# Altium PCB Smart Humidifier.PcbDoc (continued)
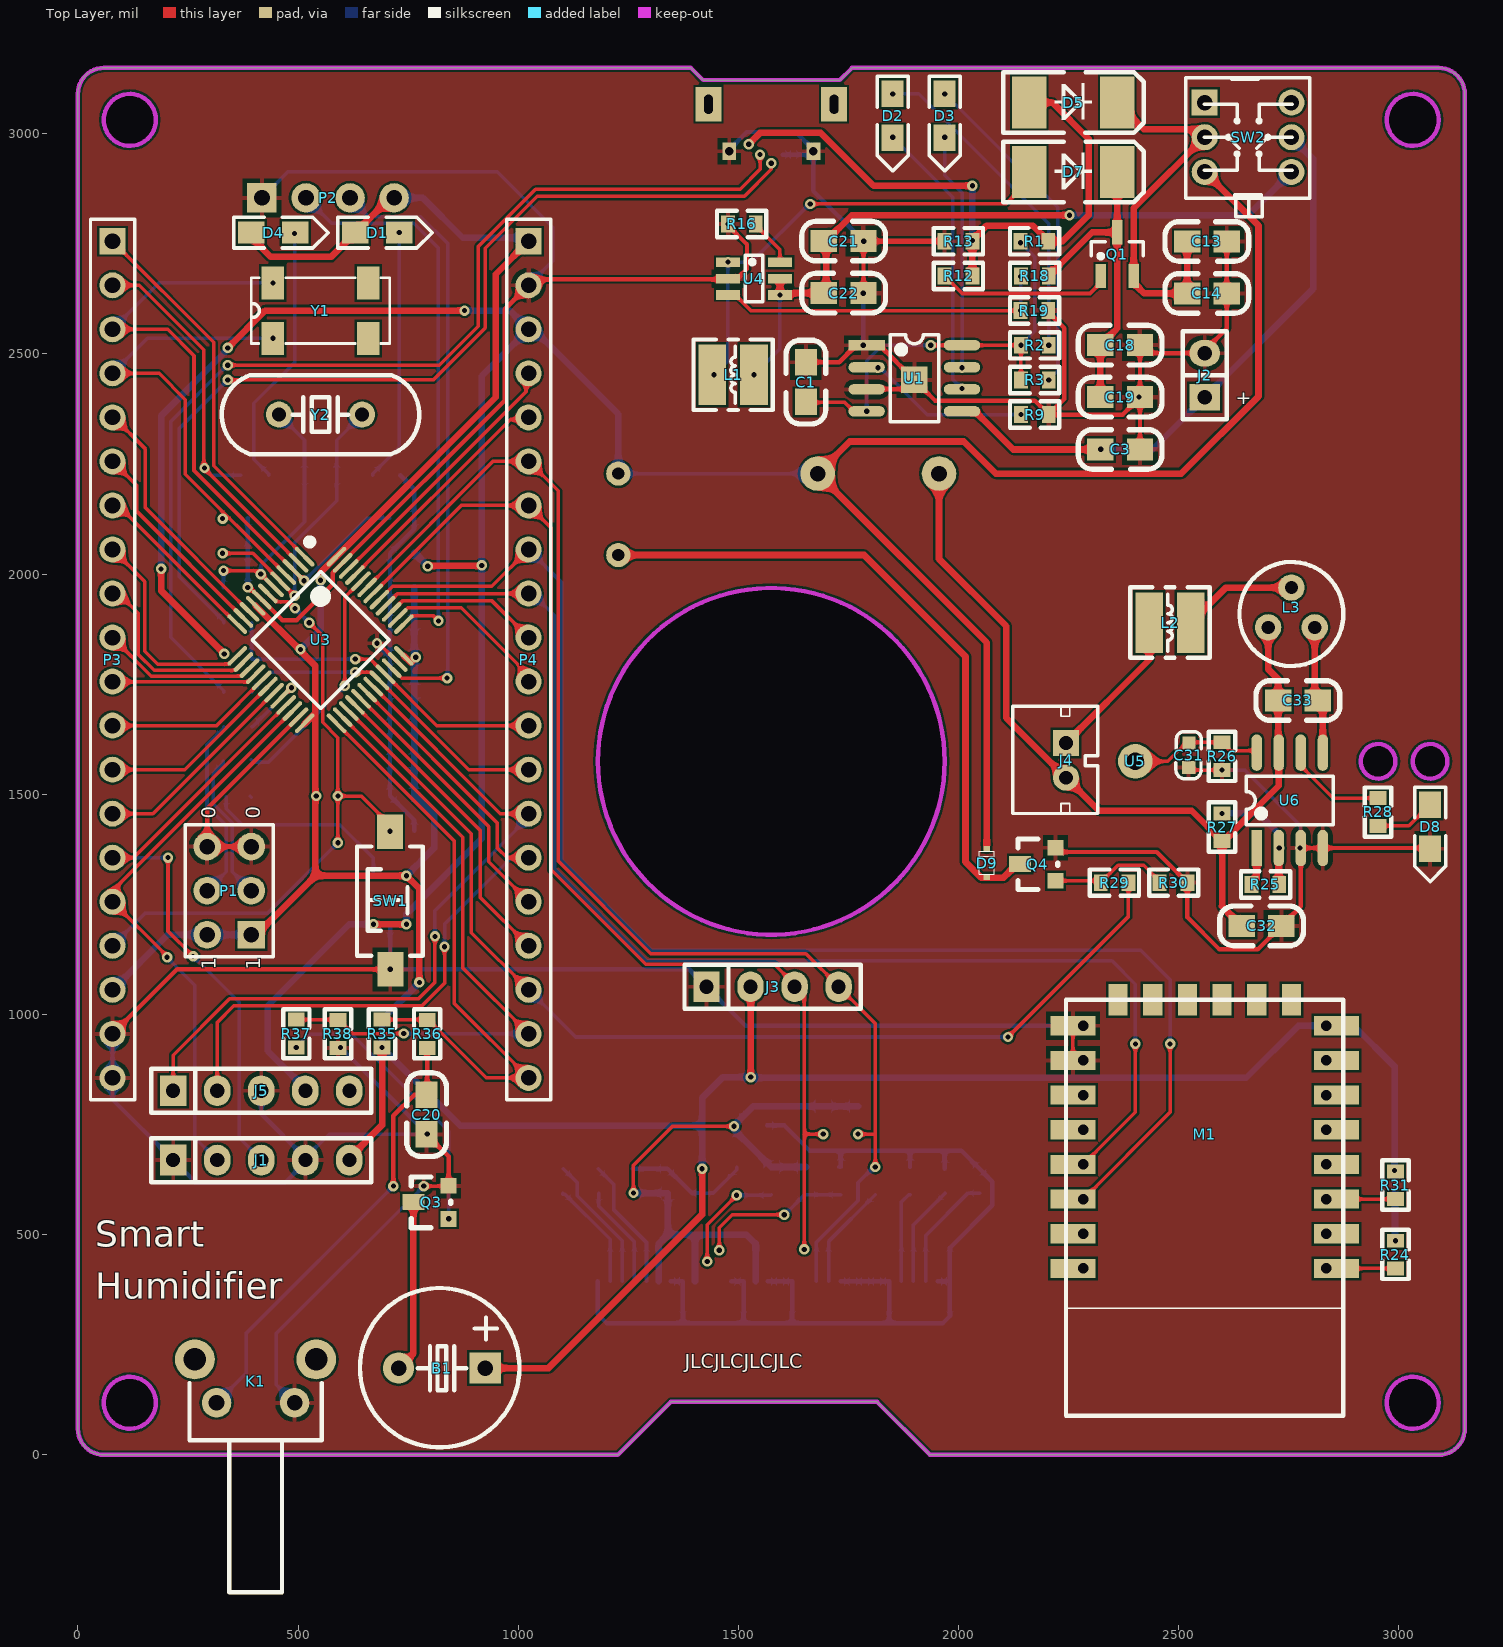
[diagram p0: Top Layer view]
## Footprints (in the part's own frame and the unit in brackets; to place one, negate y for a bottom-side part, rotate by r counter-clockwise, add the part's x,y. Pads: shape width x height; smd on the part's side, far side on the other; paste and mask are expansions set on the pad) (continued)

## Part data
B1: "蜂鸣器"
C1 C2 C3 C4 C5 C6 C7 C8 C9 C10 C11 C12 C13 C14 C15 C16 C17 C18 C19 C20 C21 C22 C23 C24 C25 C26 C27 C28 C29 C30 C31 C32 C33: library part CAP, "无极性电容"
D1 D2 D3 D4 D8: library part LED
D5 D7: library part "DIODE SCHOTTKY", "肖特基二极管"
D9: library part DIODE, "普通二极管"
J2: library part "Female HDR1X2"
J4: library part PH2.0-2P
JK1: "5V一组常开"
K1: library part KEY
L1 L2: library part INDUCTOR, "INDUCTOR"
L3: library part "INDUCTOR Tripod", "三脚工字形电感线圈直插式"
P1: "Header, 3-Pin, Dual row", LatestRevisionDate=17-Jul-2002, LatestRevisionNote="Re-released for DXP Platform.", Publisher="Altium Limited"
P2: library part "Header 4", "Header, 4-Pin", LatestRevisionDate=17-Jul-2002, LatestRevisionNote="Re-released for DXP Platform.", Publisher="Altium Limited"
P3 P4: "Header, 20-Pin", LatestRevisionDate=17-Jul-2002, LatestRevisionNote="Re-released for DXP Platform.", Publisher="Altium Limited"
Q1: library part P-MOS, "P沟道场效应管"
Q2: library part LDO_SOT23, "SOT23封装LDO"
Q3 Q4: library part NPN, "NPN三极管"
R1 R2 R3 R4 R5 R6 R7 R8 R9 R10 R11 R12 R13 R14 R15 R16 R17 R18 R19 R20 R21 R22 R23 R24 R25 R26 R27 R28 R29 R30 R31 R32 R33 R34 R35 R36 R37 R38: library part RES
SW1: "SWITCH"
SW2: library part KFT_7X7-DIP, "Self-locking Switch"
U2: library part RT9193X_5P, ICA_MFR_NAME=RICHTEK, ICA_PARTNUM=$$2191094$$RT9193-15CU5, Part Number=TMP-13
U4: library part TC6291C, "DC-DC升压IC"
U5: library part 过孔焊盘
U6: library part XKT-201, "5V加湿器驱动芯片"
Y1 Y2: library part XTAL, "Crystal Oscillator", LatestRevisionDate=17-Jul-2002, LatestRevisionNote="Re-released for DXP Platform.", Published=8-Jun-2000, Publisher="Altium Limited"

## Free pads (board coordinates)
  rect 60x60 smd: 2(1899.61,2440.94)

## Via types
v1: diameter 23.62, hole 11.81, Top Layer to Bottom Layer, 108 vias

## Nets (pads, with @x,y where several pads share a name; then routed paths per layer and width w, separated by ;. In a path a pad name is that pad's centre, name@x,y a point inside that pad or via, vN(x,y) a via of type N, cw(c..) or ccw(c..) an arc to the next point about the centre after c; other vN are vias at no path point)
5V_OUT: C18.2 C19.2 D7.K Q1.D R18.2 | length 748
  Top Layer w15: R18.2 2204.72,2685.41 2211.47,2692.16 2219.72,2692.16 2303.7,2776.14 Q1.D ; C19.2 C18.2 2360.24,2558.34 Q1.D ; D7.K@2374.02,2899.72 D7.K 2360.24,2913.39 Q1.D
BOOT0: R6.1 U3.44 | length 539.8
  Top Layer w8: v1(606.3,1746.06) 606.3,1947.27 U3.44
  Bottom Layer w8: R6.1@393.7,1578.74 399.61,1572.83 433.07,1572.83 v1(606.3,1746.06)
BOOT1: R7.2 U3.20 | length 162.9
  Top Layer w8: U3.20 459.62,1716.88 v1(484.86,1742.12)
  Bottom Layer w8: R7.2 396.48,1653.54 484.86,1741.93 v1(484.86,1742.12)
GND: C1.1 C2.1 C3.2 C4.1 C5.1 C6.1 C7.1 C8.1 C9.1 C11.1 C13.2 C14.2 C15.1 C16.2 C17.1 C18.1 C19.1 C20.1 C21.1 C22.1 C23.2 C24.2 C25.1 C26.1 C27.1 C28.1 C29.2 C30.2 C31.2 C32.1 D8.K J1.1 J1.4 J2.2 J3.1 J5.3 K1.3 M1.15 M1.16 OLED1.1 OLED1.7 OLED1.8 OLED1.12 OLED1.13 OLED1.15 OLED1.16 OLED1.17 OLED1.21 OLED1.22 OLED1.23 OLED1.24 OLED1.25 OLED1.29 OLED1.30 P1.5 P1.6 P2.1 P3.19 P3.20 P4.2 pad.2 Q2.1 Q3.E Q4.E R5.2 R9.2 R10.1 R13.1 R14.1 R16.1 R17.1 R19.1 R26.1 R30.1 R38.2 SW1.1 U1.1 U1.3 U2.2 U3.8 U3.23 U3.35 U3.47 U4.2 U6.3 U6.4 USB1.4 USB1.5 | length 16323.1
  Top Layer w8: v1(679.29,1842.99) 683.36,1842.99 725.96,1800.4 U3.35 ; v1(785.43,610.24) 841.46,610.24 Q3.E ; M1.16@2259.84,895.67 M1.15@2259.84,974.41 ; C31.2@2519.68,1552.61 2522.62,1552.61 2525.13,1555.12 v1(2598.43,1555.12)
  Top Layer w10: P3.19 225.36,1102.53 v1(709.45,1102.53) ; v1(385.71,1969.86) 389.96,1969.86 U3.8 464.15,1895.67 497.39,1895.67 578.74,1977.02 578.74,2003.23 U3.47 601.18,2026.38 969.29,2394.49 969.29,2601.57 P4.2 1037.01,2669.29 1496.06,2669.29 1519.68,2692.91 1519.68,2748.72 1476.38,2792.03 v1(1476.38,2795.28) R16.1@1479.33,2798.23 ; P1.5 P1.6 293.7,1467.64 U3.23 ; C20.1 842.09,677.52 Q3.E ; C1.1 1653.52,2481.39 1729.27,2481.39 1767.56,2519.68 v1(1783.46,2519.68) U1.1 1820.87,2519.68 pad.2 pad.2@1904.61,2435.94 ; C22.1 C21.1 ; U1.3 1791.71,2420.06 1884.47,2420.06 1900.35,2435.94 pad.2@1904.61,2435.94 ; R19.1 2203.73,2595.32 2203.59,2595.32 2240.16,2558.75 2240.16,2397.64 R9.2 ; Q4.E 2229.77,1368.85 2450.05,1368.85 2504.69,1314.21 2507.94,1314.21 2519.68,1302.46 R30.1 2519.68,1220.47 2592.41,1147.75 2679.55,1147.75 C32.1 2777.17,1245.36 U6.3 ; C18.1 C18.1@2411.99,2516.84 ; C3.2 2411.99,2283.06 C19.1 ; C13.2 C14.2 2608.98,2557.96 2559.06,2508.03 J2.2 2558.68,2501.95 2426.88,2501.95 C18.1@2411.99,2516.84 ; v1(2775.59,1377.95) U6.3 ; D8.K 3069.29,1377.95 U6.4 U6.3 ; pad.2@1904.61,2435.94 1946.48,2394.07 2172.85,2394.07 R9.2 ; R9.2 2372.97,2362.2 2409.49,2398.73 v1(2409.49,2401.98) C19.1 ; C19.1 C18.1@2411.99,2516.84
  Top Layer w11.81: C21.1 v1(1784.57,2755.91) R13.1
  Bottom Layer w8: C8.1 C8.1@393.7,1493.62 ; P2.1 477.17,2913.39 952.76,2913.39 1078.74,2787.4 1078.74,2711.02 P4.2 ; K1.3 450.79,159.45 450.79,275.59 v1(785.43,610.24) ; J1.4 516.54,674.29 570.59,728.35 v1(793.31,728.35) ; C16.2 1442.82,594.39 1496.06,647.64 R14.1 ; v1(2598.43,1555.12) 2649.61,1555.12 2775.59,1429.13 v1(2775.59,1377.95)
  Bottom Layer w10: P3.19 P3.20 78.74,807.09 J1.1 216.54,664.29 241.54,639.29 246.54,639.29 267.72,618.11 470.35,618.11 516.54,664.29 J1.4 ; v1(385.71,1969.86) 385.83,1969.98 C29.2 C24.2 ; J5.3 416.54,774.29 J1.4@516.54,674.29 ; v1(596.46,925.2) v1(793.31,728.35) ; v1(679.29,1842.99) 679.29,1840.96 C6.1 ; C26.1@708.17,1574.45 C26.1 ; U2.2 709.05,1204.33 709.05,1102.92 v1(709.45,1102.53) 1388.02,1102.53 J3.1 1516.14,974.41 M1.15@2283.46,974.41 ; R5.2 763.87,2192.82 C23.2 763.87,2102.6 C7.1 C27.1 C4.1 C6.1 ; C2.1 763.81,1441.48 C28.1 C26.1 ; OLED1.1 1181.1,318.9 1200.79,299.21 1374.02,299.21 ; C17.1 C15.1 1393.84,594.49 1418.58,594.49 C16.2 ; OLED1.7 OLED1.8 1374.02,299.21 ; USB1.5@1479.33,2960.24 1479.33,2964.17 1519.09,3003.94 1630.51,3003.94 1670.28,2964.17 USB1.5@1670.28,2960.24 ; OLED1.12 OLED1.13 1511.81,299.21 ; Q2.1 1604.33,748.03 1661.42,690.94 1732.28,690.94 ; OLED1.15 OLED1.16 OLED1.17 1622.05,299.21 ; USB1.4 1625.98,2952.76 1662.8,2952.76 USB1.5@1670.28,2960.24 ; OLED1.21 OLED1.22 OLED1.23 OLED1.24 OLED1.25 1842.52,299.21 ; R17.1 1729.04,653.54 1732.28,656.79 1732.28,690.94 ; v1(1783.46,2519.68) v1(1783.46,2637.8) ; v1(1784.57,2755.91) 1670.28,2870.2 USB1.5@1670.28,2960.24 ; R10.1 1889.76,690.94 ; OLED1.29 OLED1.30 ; C11.1 1968.5,649.75 1968.5,690.94 ; C26.1 C25.1 C5.1 C6.1 ; 1374.02,299.21 1511.81,299.21 ; 1511.81,299.21 1622.05,299.21 ; 1622.05,299.21 1842.52,299.21 ; 1732.28,690.94 1889.76,690.94 ; 1842.52,299.21 1964.57,299.21 1980.32,314.96 OLED1.30 ; 1889.76,690.94 1968.5,690.94 ; 1968.5,690.94 2006.05,690.94 C9.1 2076.77,620.22 2076.77,566.93 1980.32,470.47 OLED1.30
NetB1_2: B1.2 Q3.C | length 391
  Top Layer w15: B1.2 762.09,230.59 Q3.C
NetC1_2: C1.2 R1.2 R2.1 R3.1 U1.4 U1.8 | length 971.4
  Top Layer w8: C1.2 1654.4,2389.76 1741.73,2389.76 1761.81,2369.68 v1(1791.34,2369.68) ; v1(1937.01,2519.68) U1.8 v1(2141.73,2519.68) ; v1(2140.74,2752.66) R1.2 ; R3.1 v1(2141.73,2519.68) ; R2.1@2141.73,2522.93 v1(2141.73,2519.68)
  Bottom Layer w8: v1(1791.34,2369.68) 1791.34,2484.25 1826.77,2519.68 v1(1937.01,2519.68) ; v1(2140.74,2752.66) 2173.23,2720.17 2173.23,2551.18 v1(2141.73,2519.68)
NetC8_2: C8.2 U2.4 | length 448.3
  Bottom Layer w8: C8.2 336.61,1467.2 372.72,1431.1 594.49,1431.1 671.26,1354.33 U2.4
NetC9_2: C9.2 OLED1.28 | length 267.6
  Bottom Layer w8: OLED1.28 1925.2,498.03 2021.56,594.39 C9.2
NetC10_1: C10.1 OLED1.3 | length 311
  Bottom Layer w8: C10.1 1133.86,618.25 1133.86,588.58 1236.22,486.22 OLED1.3
NetC10_2: C10.2 OLED1.2 | length 248.3
  Bottom Layer w8: C10.2@1101.01,594.39 1101.01,591.91 1106.2,591.91 1208.66,489.45 OLED1.2
NetC11_2: C11.2 OLED1.27 | length 230.6
  Bottom Layer w8: OLED1.27 1897.64,522.17 C11.2
NetC12_1: C12.1 OLED1.5 | length 301.2
  Bottom Layer w8: C12.1 1216.54,614.32 1216.54,557.09 1291.34,482.28 OLED1.5
NetC12_2: C12.2 OLED1.4 | length 234.4
  Bottom Layer w8: C12.2 1182.46,565.57 1263.78,484.25 OLED1.4
NetC13_1: C13.1 C14.1 D5.K Q1.S SW2.2 | length 905.8
  Top Layer w15: D5.K 2420.83,3010.39 2568.31,3010.39 2572.81,3005.88 2397.64,2830.71 Q1.S 2397.64,2661.42 2421.66,2637.39 C14.1 C13.1
NetC20_2: C20.2 K1.1 R36.2 | length 1020.3
  Top Layer w10: v1(716.54,610.24) 716.54,769.69 764.49,817.64 C20.2 793.31,818.98 R36.2
  Bottom Layer w8: K1.1 381.89,185.04 381.89,275.59 v1(716.54,610.24)
NetC21_2: C21.2 C22.2 L1.1 SW2.4 U4.4 U4.5 | length 1586.4
  Top Layer w15: U4.5 v1(1594.49,2633.86) 1598.83,2638.2 C22.2 1699.17,2643.2 1699.17,2756.31 1757.82,2814.96 v1(2251.97,2814.96)
  Bottom Layer w8: v1(1535.43,2452.76) 1594.49,2511.81 v1(1594.49,2633.86)
  Bottom Layer w15: v1(2251.97,2814.96) 2657.48,2814.96 SW2.4
NetC31_1: C31.1 R26.2 U5.Hole U6.8 | length 310.4
  Top Layer w8: U5.Hole 2475.37,1574.8 2519.68,1619.11 2519.68,1621.61 2523.62,1621.61 2527.13,1618.11 R26.2 2617.39,1599.15 2677.17,1599.15 U6.8
NetC32_2: C32.2 C33.2 J4.2 JK1.4 L3.3 R27.2 U6.7 | length 1986.9
  Top Layer w15: JK1.4 1955.63,2034.53 2108.27,1881.89 2108.27,1673.44 J4.2 2319.11,1462.6 2529.53,1462.6 R27.2 ; C32.2 2598.11,1246.06 2598.43,1246.06 R27.2 ; L3.3 2703.07,1784.45 2725.67,1761.85 C33.2 2725.67,1594.49 U6.7 2727.17,1519.19 2601.67,1393.7 R27.2
NetC33_1: C33.1 L3.2 U6.5 | length 292.1
  Top Layer w15: L3.2 2808.74,1719.92 C33.1 2827.17,1701.5 U6.5
NetD1_K: D1.K R5.1 | length 576.3
  Bottom Layer w8: R5.1 669.29,2227.66 729.92,2288.29 v1(729.92,2775.59)
NetD2_A: D2.A R2.2 | length 752.2
  Bottom Layer w8: v1(1850.39,3090.55) 1909.45,3090.55 2204.72,2795.28 v1(2204.72,2519.68)
NetD2_K: D2.K U1.6 | length 636.1
  Bottom Layer w8: v1(1850.39,2992.13) 1987.06,2855.46 1987.06,2442.07 v1(2007.87,2421.26)
NetD3_A: D3.A R3.2 | length 764.7
  Bottom Layer w8: v1(1968.5,3090.55) 2225.54,2833.52 2225.54,2461.76 v1(2204.72,2440.94)
NetD3_K: D3.K U1.7 | length 539.9
  Bottom Layer w8: v1(1968.5,2992.13) 1968.5,2905.51 2007.87,2866.14 v1(2007.87,2468.5)
NetD4_K: D4.K R8.1 | length 601.4
  Bottom Layer w8: R8.1 433.07,2227.66 399.61,2261.12 399.61,2387.8 492.13,2480.32 v1(492.13,2773.62)
NetD7_A: D7.A L1.2 U4.1 | length 1049.3
  Top Layer w8: v1(1663.39,2840.55) 2107.2,2840.55 2160.35,2893.7 D7.A
  Bottom Layer w8: v1(1444.88,2452.76) 1476.38,2484.25 v1(1476.38,2708.66) 1529.53,2708.66 1661.42,2840.55 v1(1663.39,2840.55)
NetD8_A: D8.A R28.1 | length 138
  Top Layer w8: R28.1 3022.87,1428.38 D8.A
NetD9_A: D9.A JK1.1 Q4.C | length 1502.1
  Top Layer w15: JK1.1 1785.43,2043.31 2015.75,1812.99 2015.75,1346.46 2051.31,1310.9 D9.A 2102.35,1310.9 2133.04,1341.58 Q4.C
NetJ4_1: J4.1 L2.1 | length 351.7
  Top Layer w15: J4.1 2433.07,1805.33 L2.1
NetL2_2: L2.2 L3.1 | length 261.4
  Top Layer w15: L2.2 2607.24,1969.45 L3.1
NetM1_1: M1.1 R24.2 | length 133.9
  Top Layer w8: M1.1@2858.27,423.23 R24.2
NetM1_3: M1.3 R31.2 | length 133.9
  Top Layer w8: M1.3@2858.27,580.71 R31.2
NetOLED1_10: OLED1.10 R11.1 R14.2 | length 257.5
  Top Layer w8: v1(1429.13,438.98) 1429.13,522.63 v1(1496.06,589.56)
  Bottom Layer w8: v1(1496.06,589.56) 1573.81,589.56 R11.1
NetOLED1_11: OLED1.11 R15.1 R17.2 | length 357.8
  Top Layer w8: v1(1456.69,464.57) 1456.69,515.75 1486.22,545.28 v1(1604.33,545.28)
  Bottom Layer w8: v1(1604.33,545.28) 1605.02,545.28 1650.3,590.55 R15.1 R17.2
NetOLED1_20: OLED1.20 R34.1 | length 240.9
  Bottom Layer w8: OLED1.20 1704.72,484.25 R34.1
NetOLED1_26: OLED1.26 R10.2 | length 206.9
  Bottom Layer w8: OLED1.26 1870.08,574.11 1886.52,590.55 R10.2
NetP1_3: P1.3 R6.2 | length 339.4
  Bottom Layer w8: R6.2 330.71,1571.56 307.09,1547.93 307.09,1478.35 350.39,1435.04 350.39,1324.41 P1.3
NetP1_4: P1.4 R7.1 | length 424.1
  Bottom Layer w8: P1.4 336.61,1324.02 336.61,1429.13 293.31,1472.44 293.31,1611.9 331.7,1650.3 R7.1
NetQ1_G: Q1.G R12.1 | length 398.5
  Top Layer w8: R12.1 1968.5,2673.92 1980.25,2662.17 1983.5,2662.17 2008.42,2637.25 2298.67,2637.25 2322.83,2661.42 Q1.G
NetQ3_B: Q3.B R37.1 | length 648.2
  Bottom Layer w8: v1(496.06,925.2) 525.59,954.72 622.05,954.72 842.09,734.69 v1(842.09,535.87)
NetQ4_B: Q4.B R29.1 R30.2 | length 274.9
  Top Layer w8: Q4.B 2318.46,1303.58 R29.1 2322.83,1302.46 2334.58,1314.21 2337.83,1314.21 2362.2,1338.58 2420.57,1338.58 2456.69,1302.46 R30.2
NetR9_1: R9.1 U1.2 | length 368.8
  Bottom Layer w8: v1(1816.93,2468.5) 1822.83,2468.5 1929.13,2362.2 v1(2141.73,2362.2)
NetR16_2: R16.2 U4.6 | length 109.4
  Top Layer w8: R16.2 1539.37,2792.03 1594.49,2736.91 U4.6
NetR18_1: R18.1 R19.2 U4.3 | length 758.2
  Top Layer w8: U4.3 1493.11,2633.86 1528.54,2598.43 v1(2140.74,2598.43) ; v1(2140.74,2676.17) R18.1
  Bottom Layer w8: v1(2140.74,2598.43) v1(2140.74,2676.17)
NetR20_1: R20.1 USB1.2 | length 2379.2
  Top Layer w8: v1(340.55,2474.41) 820.87,2474.41 909.45,2562.99 909.45,2744.09 1039.37,2874.02 1503.94,2874.02 1549.21,2919.29 v1(1549.21,2952.76)
  Bottom Layer w8: R20.1 331.69,1735.53 210.63,1856.59 210.63,2346.46 v1@339.57,2475.39
NetR21_1: R21.1 USB1.3 | length 2191.1
  Top Layer w8: v1(340.55,2440.95) 807.09,2440.95 925.2,2559.06 925.2,2740.16 1043.31,2858.27 1513.78,2858.27 1574.8,2919.29 v1(1574.8,2933.07)
  Bottom Layer w8: R21.1 331.69,1893.01 230.32,1994.39 230.32,2330.71 v1(340.55,2440.95)
NetR25_1: R25.1 R27.1 U6.2 | length 293.2
  Top Layer w15: R25.1@2727.17,1295.28 U6.2 U6.2@2727.17,1407.48
  Bottom Layer w15: v1(2598.43,1456.69) 2681.1,1456.69 2728.35,1409.45 v1(2728.35,1377.95)
NetR25_2: R25.2 U6.1 | length 87.6
  Top Layer w15: R25.2 2677.1,1307.02 2677.1,1377.89 U6.1
NetR28_2: R28.2 U6.6 | length 235.6
  Top Layer w8: U6.6 2777.17,1564.96 2850.76,1491.37 R28.2
OSCIN: C29.1 R23.2 U3.5 Y2.2 | length 679.1
  Top Layer w8: v1(328.74,2047.24) 397.68,2047.24 459.42,1985.5 U3.5 492.13,1951.21 v1(492.13,1951)
  Bottom Layer w8: v1(492.13,1951) 492.13,2070.87 587.68,2166.42 587.68,2304.22 Y2.2
OSCOUT: C30.1 R23.1 U3.6 Y2.1 | length 596.8
  Top Layer w8: v1(330.71,2007.87) 407.62,2007.87 v1(415.49,2000) U3.6
  Bottom Layer w8: C30.1 v1(330.71,2007.87) ; v1(415.49,2000) 415.49,2019.82 514.68,2119.01 514.68,2304.22 Y2.1
PA0: P3.5 U3.10 | length 572.3
  Top Layer w8: P3.5 81.6,2355.91 153.54,2283.96 153.54,2150.33 389.57,1914.31 U3.10
PA1: P3.6 U3.11 | length 478.6
  Top Layer w8: P3.6 134.21,2200.43 134.21,2142.09 U3.11
PA2: P3.7 U3.12 | length 394.9
  Top Layer w8: P3.7 92.06,2155.91 361.49,1886.47 U3.12
PA3: P3.8 U3.13 | length 491.8
  Top Layer w8: P3.8 151.57,1983.07 151.57,1824.8 181.1,1795.28 342.95,1795.28 U3.13
PA4: P3.9 U3.14 | length 432.1
  Top Layer w8: P3.9 92.56,1955.91 137.17,1911.29 137.17,1817.55 173.23,1781.5 357.01,1781.5 U3.14
PA5: P3.10 U3.15 | length 355
  Top Layer w8: P3.10 166.49,1768.16 371.51,1768.16 U3.15
PA6: P3.11 U3.16 | length 332.5
  Top Layer w8: P3.11 79.49,1755.16 386.35,1755.16 U3.16
PA7: P3.12 U3.17 | length 381.5
  Top Layer w8: P3.12 314.93,1655.91 U3.17
PA8: P4.16 U3.29 | length 618.7
  Top Layer w8: U3.29 933.07,1426.75 933.07,1346.46 P4.16
PA9(USART1_TX): J5.2 P4.15 U3.30 | length 1650.9
  Top Layer w8: J5.2 316.54,981.89 354.33,1019.69 781.5,1019.69 832.68,1070.87 v1(832.68,1153.54) ; U3.30 952.76,1434.9 952.76,1377.95 974.8,1355.91 P4.15
  Bottom Layer w8: v1(832.68,1153.54) 832.68,1204.72 983.86,1355.91 P4.15
PA10(USART1_RX): J5.1 P4.14 U3.31 | length 1687.3
  Top Layer w8: J5.1 216.54,907.48 344.49,1035.43 773.62,1035.43 811.02,1072.83 v1(811.02,1177.17) ; U3.31 959.59,1455.91 P4.14
  Bottom Layer w8: v1(811.02,1177.17) 811.02,1235.63 1023.62,1448.23 P4.14
PA11: P4.13 R20.2 U3.32 | length 741.4
  Top Layer w8: v1(629.92,1777.56) 665.77,1777.56 U3.32 887.43,1555.91 P4.13
  Bottom Layer w8: R20.2 394.68,1735.53 436.71,1777.56 v1(629.92,1777.56)
PA12: P4.12 R21.2 R22.2 U3.33 | length 770.2
  Top Layer w8: v1@631.89,1807.08 664.09,1807.08 U3.33 815.27,1655.91 P4.12
  Bottom Layer w8: R22.2 394.68,1807.08 v1(629.92,1807.08) ; R22.2@394.68,1813.06 R21.2
PA15: P4.11 U3.38 | length 384.4
  Top Layer w8: U3.38 739.45,1913.39 749.29,1923.23 870.78,1923.23 1023.62,1770.39 P4.11
PB0: P3.13 U3.18 | length 431.1
  Top Layer w8: P3.13 242.77,1555.91 U3.18
PB1: P3.14 U3.19 | length 480.6
  Top Layer w8: P3.14 170.61,1455.91 U3.19
PB3: P4.10 U3.39 | length 382.5
  Top Layer w8: U3.39@731.29,1933.07 U3.39 712.54,1914.81 736.7,1938.98 940.55,1938.98 P4.10
PB4: M1.19 P4.9 U3.40 | length 2900.5
  Top Layer w8: U3.40 715.27,1944.88 726.29,1955.91 P4.9 ; M1.19@2259.84,659.45 2283.46,659.45 2401.57,777.56 v1(2401.57,933.07)
  Bottom Layer w8: P4.9 1032.28,1955.91 1082.68,1905.51 1082.68,1330.71 1291.34,1122.05 2348.43,1122.05 2401.57,1068.9 v1(2401.57,933.07)
PB5: M1.20 P4.8 U3.41 | length 3222.1
  Top Layer w8: U3.41 707.11,1964.57 714.99,1972.44 940.16,1972.44 P4.8 ; M1.20@2259.84,580.71 2283.46,580.71 2480.32,777.56 v1(2480.32,933.07) v1@2480.32,935.04
  Bottom Layer w8: P4.8 1098.43,1981.1 1098.43,1350.39 1303.15,1145.67 2413.39,1145.67 2480.32,1078.74 v1(2480.32,933.07)
PB6(I2C1_SCL): J3.3 OLED1.18 P4.7 R32.1 U3.42 | length 2598.6
  Top Layer w8: U3.42 870.61,2155.91 P4.7 1074.8,2104.72 1074.8,1328.74 1289.37,1114.17 1581.38,1114.17 1627.56,1067.99 J3.3 1649.61,1040.94 1649.61,728.35 ; v1(1649.61,466.54) 1649.61,728.35 ; v1(1692.91,728.35) 1649.61,728.35
PB7(I2C1_SDA): J3.4 OLED1.19 P4.6 R33.1 R34.2 U3.43 | length 2977.5
  Top Layer w8: U3.43 942.77,2255.91 P4.6 1090.55,2188.98 1090.55,1348.43 1301.18,1137.8 1653.54,1137.8 1727.56,1063.78 J3.4 1811.02,979.53 1811.02,726.38 ; v1(1771.65,728.35) 1809.06,728.35 1811.02,726.38 ; v1(1811.02,653.54) 1811.02,726.38
  Bottom Layer w8: OLED1.19 1677.17,482.28 1771.65,576.77 1771.65,617.42 1807.78,653.54 v1(1811.02,653.54)
PB8: P4.5 U3.45 | length 542.9
  Top Layer w8: U3.45 982.09,2350.9 1018.62,2350.9 P4.5
PB9: P4.4 U3.46 | length 613.4
  Top Layer w8: U3.46 1017.73,2414.38 1017.73,2450.01 P4.4
PB10(I2C2_SCL): J1.3 P3.15 U3.21 | length 1439.4
  Top Layer w8: P3.15 126.29,1355.91 U3.21 ; v1(204.72,1356.3) 204.72,1188.98 v1(261.81,1131.89)
  Bottom Layer w8: P3.15 78.94,1356.1 204.13,1356.1 204.33,1355.91 v1(204.72,1356.3) ; v1(261.81,1131.89) 366.14,1027.56 366.14,719.68 J1.3
PB11(I2C2_SDA): J1.2 P3.16 U3.22 | length 1287.5
  Top Layer w8: v1(202.76,1129.92) 202.76,1131.89 P3.16 78.74,1280.54 U3.22@487.24,1689.04
  Bottom Layer w8: v1(202.76,1129.92) 202.76,1128.94 265.75,1065.95 265.75,720.08 J1.2
PB12: P4.20 R35.2 R36.1 U3.25 | length 1374.8
  Top Layer w8: U3.25 854.33,1394.13 854.33,1025.2 P4.20 1022.05,854.33 1020.47,855.91 927.85,855.91 796.56,987.2 R36.1 792.32,988.19 R35.2
PB13: P4.19 R37.2 R38.1 U3.26 | length 1435.1
  Top Layer w8: R37.2 592.81,988.19 624.3,956.69 v1(740.16,956.69) ; U3.26 874.02,1402.28 874.02,1105.51 P4.19
  Bottom Layer w8: v1(740.16,956.69) 740.55,956.3 1023.23,956.3 P4.19
PB14: P4.18 R29.2 U3.27 | length 2399
  Top Layer w8: U3.27 893.7,1410.44 893.7,1185.83 P4.18 ; v1(2112.2,948.82) 2385.83,1222.44 R29.2
  Bottom Layer w8: P4.18 1130.71,948.82 v1(2112.2,948.82)
PB15: P4.17 U3.28 | length 710.5
  Top Layer w8: U3.28 913.39,1418.59 913.39,1266.14 P4.17
PC13: P3.2 R8.2 U3.2 | length 931.2
  Top Layer w8: P3.2 139.37,2655.91 285.97,2509.31 285.97,2240.88 U3.2 U3.2@502.28,2025.67
  Bottom Layer w8: v1(287.54,2240.9) 304.03,2224.41 R8.2
PC14: C23.1 P3.3 U3.3 Y1.4 | length 1486.5
  Top Layer w8: P3.3 203.94,2555.91 263.78,2496.06 263.78,2235.23 U3.3 487.26,2011.25 v1(513.78,1984.73)
  Bottom Layer w8: P3.3 184.25,2661.42 v1(442.91,2661.42) ; v1(513.78,1984.73) 656,2126.95 C23.1@708.78,2126.95
PC15: C24.1 P3.4 U3.4 Y1.1 | length 1093.1
  Top Layer w8: P3.4 184.56,2455.91 244.16,2396.31 244.16,2383.21 244.09,2383.15 244.09,2227.08 U3.4 U3.4@472.79,1998.38 ; v1(328.74,2125.98) v1@336.96,2134.21
  Bottom Layer w8: P3.4 158.27,2535.43 v1(442.91,2535.43)
RESET: C2.2 P3.17 R4.2 SW1.2 U3.7 | length 1409
  Top Layer w8: U3.7 450.65,1937.01 476.68,1937.01 491.45,1922.24 v1(493.11,1922.24) ; v1(525.59,1889.76) 555.94,1859.41 555.94,1663.39 590.55,1628.77 v1(590.55,1496.06) 643.7,1496.06 688.98,1450.79 SW1.2@688.98,1414.84 ; v1(590.55,1389.76) 590.55,1492.13 v1@592.52,1494.09
  Bottom Layer w8: P3.17 153.15,1230.32 431.1,1230.32 v1(590.55,1389.76) ; v1(493.11,1922.24) v1(525.59,1889.76)
  other v1: 708.81,1415.97
SWDCLK: P2.2 U3.37 | length 1285.8
  Top Layer w8: U3.37 759.41,1905.51 807.09,1905.51 v1(818.9,1893.7)
  Bottom Layer w8: P2.2 576.04,2796.4 762.65,2796.4 818.9,2740.16 v1(818.9,1893.7)
SWDIO: P2.3 U3.34 | length 1387.4
  Top Layer w8: U3.34 735.23,1763.78 v1(838.58,1763.78)
  Bottom Layer w8: P2.3 660.57,2811.87 778.69,2811.87 839.71,2750.84 839.71,1764.91 v1(838.58,1763.78)
VBAT: P3.1 U3.1 | length 897.1
  Top Layer w8: P3.1 308.35,2526.29 308.35,2246.34 U3.1
VBAT3.7: C3.1 J2.1 SW2.5 U1.5 | length 1353.1
  Top Layer w15: U1.5 2037.4,2369.68 2124.02,2283.06 C3.1 C3.1@2327.13,2283.06
  Bottom Layer w15: v1(2322.83,2283.46) 2440.94,2283.46 J2.1 2805.12,2647.64 2805.12,2942.91 SW2.5
VBUS: D5.A R1.1 R12.2 R13.2 USB1.1 | length 1433.6
  Top Layer w15: v1(1523.62,2976.38) 1549.21,3001.97 1687.01,3001.97 1807.09,2881.89 v1(2031.5,2881.89) ; R12.2 R13.2 v1(2031.5,2757.53) 2031.5,2759.15 2063.68,2791.34 2168.3,2791.34 R1.1 2236.22,2755.91 2263.78,2783.46 2295.28,2814.96 2295.28,2988.88 2213.29,3070.87 D5.A
  Bottom Layer w15: v1(2031.5,2757.53) v1(2031.5,2881.89)
VCC3V3: B1.1 C4.2 C5.2 C6.2 C16.1 C25.2 C26.2 C27.2 C28.2 D1.A D4.A J1.5 J3.2 M1.8 P1.1 P1.2 P2.4 P3.18 P4.1 Q2.3 R4.1 R24.1 R31.1 R35.1 U2.5 U3.9 U3.24 U3.36 U3.48 | length 8830.1
  Top Layer w15: D4.A@385.57,2773.09 438.19,2720.47 574.8,2720.47 D1.A 708.66,2854.33 P2.4 ; P1.1 405.58,1181.1 539.44,1314.96 ; U3.9 503.36,1828.62 503.66,1828.91 v1(505.56,1828.91) 505.56,1825.38 539.44,1791.5 539.44,1314.96 ; U3.24@514.35,1659.45 U3.24@536,1681.1 ; v1(551.18,1986.22) 551.18,2003.94 948.82,2401.57 948.82,2681.1 P4.1 ; J1.5 616.54,674.29 690.94,748.7 v1(690.94,925.2) ; U3.36 754.66,1800.03 755.87,1800.03 766.86,1811.02 v1(767.5,1811.02) ; v1(775.59,1072.83) 775.59,1285.43 v1(746.06,1314.96) 539.44,1314.96 ; B1.1 1068.9,196.85 1417.68,545.63 v1(1417.68,649.39) ; J3.2 1528.06,1062.99 v1(1528.06,857.77)
  Bottom Layer w15: P3.18 203.94,1181.1 P1.2 P1.1 ; v1(505.56,1828.91) 551.18,1874.54 v1(551.18,1986.22) ; P2.4 783.46,2854.33 874.02,2763.78 1015.75,2763.78 P4.1 ; v1(746.06,1314.96) 809.06,1377.95 809.06,1452.24 C28.2 C26.2 C25.2 C5.2 C6.2 ; C6.2@763.57,1812.68 C6.2 ; C27.2 C4.2 763.87,1814.65 v1(767.5,1811.02) 767.5,1808.75 C6.2 ; v1(775.59,1072.83) 690.94,988.19 v1(690.94,925.2) 868.75,747.39 1417.68,747.39 ; v1(1417.68,649.39) 1417.68,747.39 ; v1(2992.13,486.22) 2991.14,487.2 2991.14,644.68 v1(2990.16,645.67) 2990.16,881.89 2897.64,974.41 2834.65,974.41 2771.65,974.41 2653.54,856.3 1529.53,856.3 v1(1528.06,857.77) 1465.07,857.77 1417.68,810.38 1417.68,747.39
  other v1: 541.34,1496.06
VCC5V: C7.2 D9.K J5.4 JK1.2 JK1.3 P4.3 R22.1 SW2.3 U2.1 U2.3 | length 7382
  Top Layer w15: v1(188.98,2011.81) 188.98,1962.59 v1(332.68,1818.89) ; v1(340.55,2513.78) 425.24,2598.43 v1(877.95,2598.43) ; v1(671.26,1204.72) v1(746.06,1204.73) ; v1(794.76,2017.72) 795.74,2018.7 916.34,2018.7 v1(917.32,2019.68) ; D9.K 2063.98,1844.41 JK1.3 1752.87,2301.18 2011.81,2301.18 2084.65,2228.35 2505.91,2228.35 2681.1,2403.54 2681.1,2791.34 SW2.3
  Bottom Layer w8: JK1.2 JK1.3
  Bottom Layer w15: v1(188.98,2011.81) 188.98,2359.18 340.55,2510.76 v1(340.55,2513.78) ; J5.4 516.54,831.77 431.1,917.2 431.1,1019.69 616.14,1204.72 v1(671.26,1204.72) ; v1(746.06,1204.73) 746.06,1228.35 917.32,1399.61 v1(917.32,2019.68) 917.32,2449.61 P4.3 ; C7.2 v1(794.76,2017.72) ; v1(877.95,2598.43) 981.1,2598.43 P4.3 ; JK1.2 1227.28,2363.27 1034.65,2555.91 P4.3
VCC_OLED: C15.2 C17.2 OLED1.6 OLED1.9 OLED1.14 Q2.2 R11.2 R15.2 R32.2 R33.2 | length 1524.4
  Top Layer w8: v1(1261.81,594.49) 1261.81,657.48 1350.39,746.06 v1(1490.16,746.06)
  Bottom Layer w15: C17.2 C15.2 1339.94,500 ; OLED1.6 1318.9,478.96 1339.94,500 ; OLED1.9 1401.57,500 ; OLED1.14 1539.37,480.32 1537.4,480.32 1517.72,500 1401.57,500 ; R15.2 R11.2 1490.16,738.18 Q2.2 1533.47,791.34 R32.2 R33.2 ; 1339.94,500 1401.57,500
pads on no net: J5.5 K1.0 M1.2 M1.4 M1.5 M1.6 M1.7 M1.9 M1.10 M1.11 M1.12 M1.13 M1.14 M1.17 M1.18 M1.21 M1.22 SW2.1 SW2.6 USB1.0 Y1.2 Y1.3

## Polygon pours and split planes (outlines as drawn)
GND on Top Layer "Top Layer-No Net" (solid, pour order 60): 59.06,0 cw(c59.06,59.06) 0,59.06 0,3090.55 cw(c59.06,3090.55) 59.06,3149.61 1392.22,3149.61 1419.78,3122.05 1730.32,3122.05 1757.87,3149.61 3090.55,3149.61 cw(c3090.55,3090.55) 3149.61,3090.55 3149.61,59.06 cw(c3090.55,59.06) 3090.55,0 1935.04,0 1814.96,120.08 1346.46,120.08 1226.38,0
GND on Bottom Layer "Top Layer-No Net1" (solid, pour order 61): 59.06,0 cw(c59.06,59.06) 0,59.06 0,3090.55 cw(c59.06,3090.55) 59.06,3149.61 1392.22,3149.61 1419.78,3122.05 1730.32,3122.05 1757.87,3149.61 3090.55,3149.61 cw(c3090.55,3090.55) 3149.61,3090.55 3149.61,59.06 cw(c3090.55,59.06) 3090.55,0 1935.04,0 1814.96,120.08 1346.46,120.08 1226.38,0

## Keep-outs
Keep-Out Layer:
  circle w10: c3070.87,1574.8 r39.37
  circle w10: c2952.76,1574.8 r39.37
  circle w10: c3031.5,118.11 r59.06
  circle w10: c118.11,118.11 r59.06
  circle w10: c3031.5,3031.5 r59.06
  circle w10: c118.11,3031.5 r59.06
  circle w10: c1574.8,1574.8 r393.7
  lines w10: 0,59.06 ccw(c59.06,59.06) 59.06,0 1226.38,0 1346.46,120.08 1814.96,120.08 1935.04,0 3090.55,0 ccw(c3090.55,59.06) 3149.61,59.06 3149.61,3090.55 ccw(c3090.55,3090.55) 3090.55,3149.61 1757.87,3149.61 1730.32,3122.05 1419.78,3122.05 1392.22,3149.61 59.06,3149.61 ccw(c59.06,3090.55) 0,3090.55 0,59.06

## Silkscreen, mask and mechanical layers (free items; w line width, h text height)
Top Overlay:
  text "+" at 2629.92,2385.83 h31.5
  text "Smart" at 39.37,472.44 h60
  text "Humidifier" at 39.37,354.33 h60
  text "JLCJLCJLCJLC" at 1377.95,196.85 h31.5
Bottom Overlay:
  text "GND" at 452.76,2755.91 h31.5
  text "GND" at 2224.41,958.66 h31.5
  text "VCC3V3" at 3068.9,958.66 h31.5
  text "IO15" at 2224.41,879.92 h31.5
  text "IO13" at 2992.13,879.92 h31.5
  text "IO2" at 2224.41,801.18 h31.5
  text "IO12" at 2992.13,801.18 h31.5
  text "IO0" at 2224.41,722.44 h31.5
  text "IO14" at 2992.13,722.44 h31.5
  text "IO4" at 2224.41,643.7 h31.5
  text "IO16" at 2992.13,643.7 h31.5
  text "IO5" at 2224.41,564.96 h31.5
  text "EN" at 2939.65,564.96 h31.5
  text "RXD" at 2224.41,486.22 h31.5
  text "ADC" at 2971.14,486.22 h31.5
  text "TXD" at 2224.41,407.48 h31.5
  text "RST" at 2971.14,407.48 h31.5
  text "Made by EternalStar" at 2844.49,196.85 h31.5
  text "2021" at 2608.27,125.98 h31.5

## Dimensions
1346.1,118.7 to 1816.1,118.7 on Top Overlay
0,3149.61 to 3149.61,3149.61 on Top Overlay
3149.61,3149.61 to 3149.61,0 on Top Overlay

## Text inside footprints (layer, text, board x,y; h text height)
P1: Top Overlay "0" at 313.7,1444.88 h32 r90; Top Overlay "0" at 413.7,1444.88 h32 r90; Top Overlay "1" at 313.7,1101.1 h32 r90; Top Overlay "1" at 413.7,1101.1 h32 r90
USB1: Bottom Overlay "USB" at 1514.8,3082.76 h40 r180